# KiCad board Encoder_SPI_AS5047P_panel.kicad_pcb (continued)
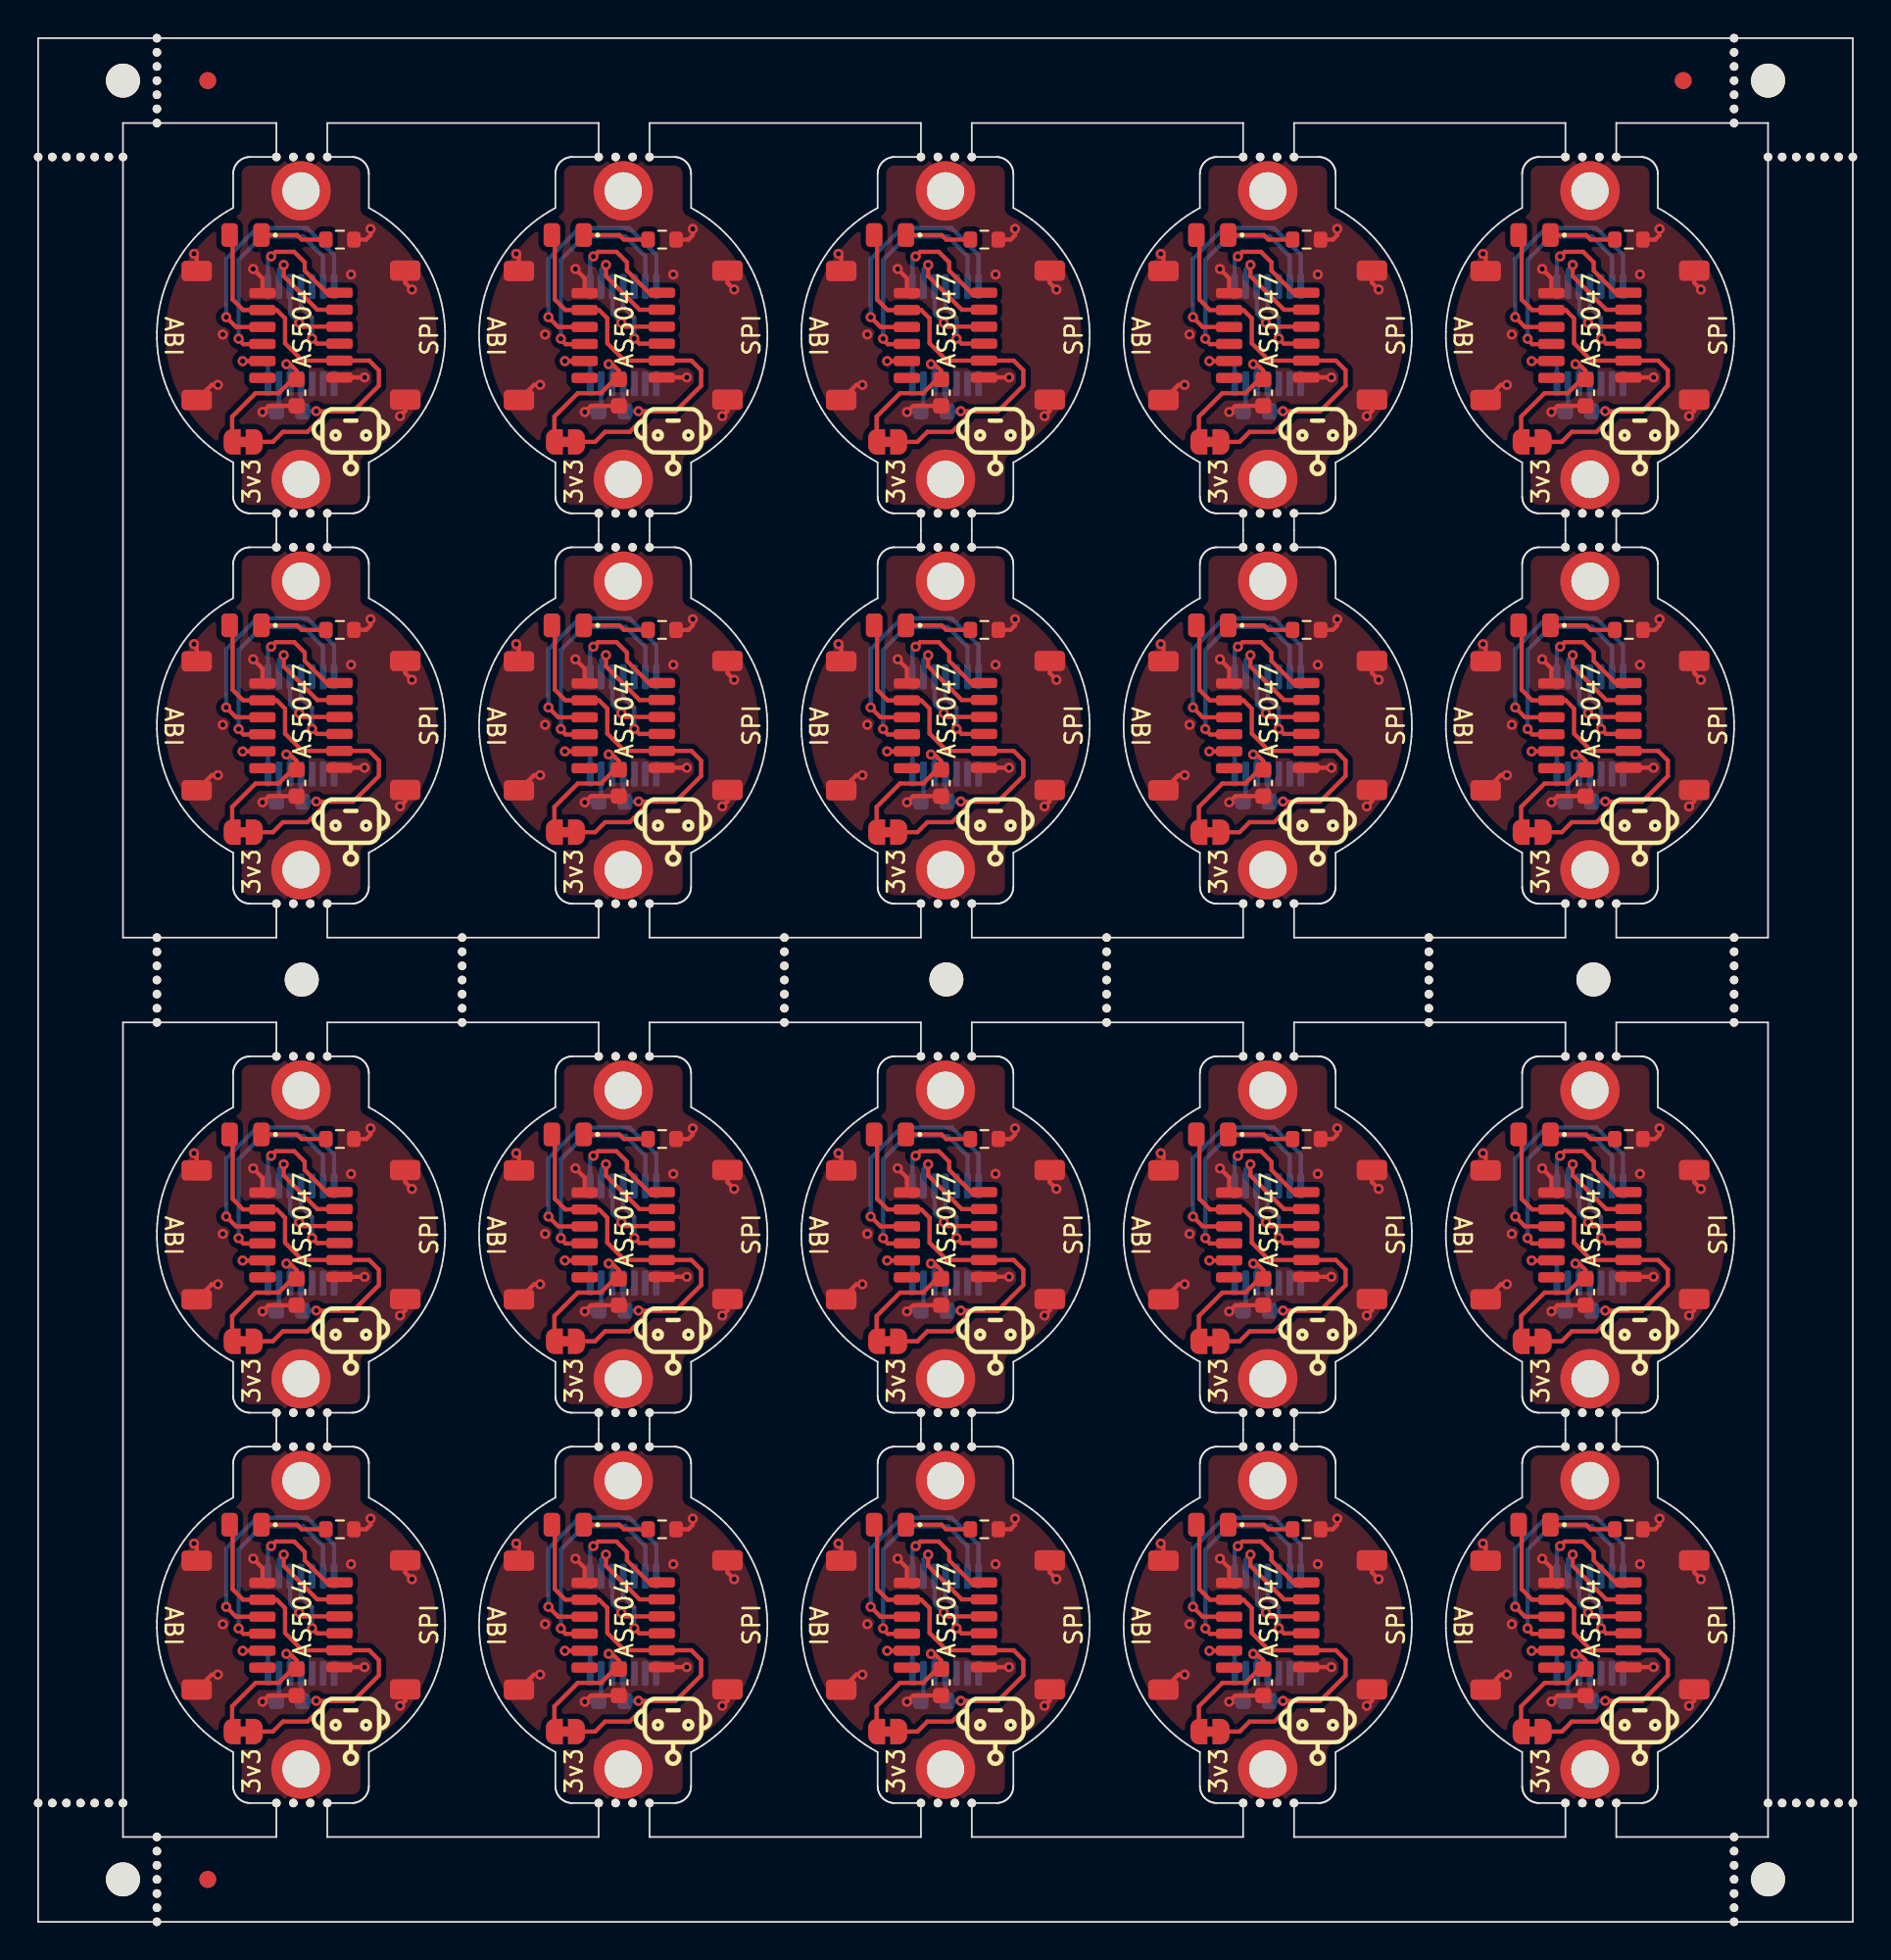
[diagram p0: board, top side]
## Routing (per net, layer and track width the routed paths; a pad name or vN(x,y) marks a point on that pad's centre or on a via; arc(x,y) is an arc through that point) (continued)
Board_12-/I: length 3.8
  Top w0.25: v1(50.06,38.97) 51.21,38.97 J2#6.5
  Bottom w0.25: v1(50.06,38.97) 51.26,38.97 51.55,38.68 U2#3.14
Board_12-/MISO: length 4.6
  Top w0.25: v1(53.39,41.23) 53.62,41 J1#11.4
  Bottom w0.25: v1(53.39,41.23) 52.86,41.75 52.86,43.12
Board_12-/MOSI: length 5.1
  Top w0.25: v1(54.15,40.3) 54.45,40 J1#11.3
  Bottom w0.25: v1(54.15,40.3) 54.15,41.52 53.5,42.17 U2#3.4
Board_12-/nCS: length 7.3
  Top w0.25: J1#11.6 55.02,43 53.72,44.3 53.72,44.79 53.1,45.41 52.01,45.41 v1(51.74,45.14)
  Bottom w0.25: v1(51.74,45.14) 51.55,44.95 U2#3.1
Board_12-/SCK: length 6.2
  Top w0.25: J1#11.5 54.46,42 52.48,43.98 v1(52.48,44.64)
  Bottom w0.25: v1(52.48,44.64) 52.2,44.36 U2#3.2
Board_12-GND: length 14.9
  Top w0.25: v1(47.19,45.29) 47.35,45.13 J2#6.MP ; v1(59.34,35.73) 59.64,36.03 J1#11.MP ; J1#11.MP 59.64,43.58 v1(60.04,43.19) ; C1#16.1 51.59,36.33 v1(51.23,35.97) ; v1(57.6,46.76) 57.6,46.39 57.34,46.13 56.61,46.13 ; J2#6.MP 48.24,37.57 v1(48.6,37.57) ; v1(57.25,38.01) 55.78,38.01 J1#11.1 ; J2#6.1 51.22,43.86 v1(50.68,44.4) ; H1#2.1 53.09,32.41
  Bottom w0.25: v1(51.23,35.97) 52.01,35.97 C2#12.1 52.2,36.16 U2#3.13
  vias: v1(48.89,40.54) v1(56.45,44.08) v1(57.34,34.6)
Board_12-Net-(D1-K): length 3.9
  Top w0.25: D1#14.1 53.27,46.4 53.54,46.13 R1#10.1
Board_12-VCC: length 27.8
  Top w0.25: v1(54.4,36.02) 54.41,36.01 56.58,36.01 58.09,37.52 58.09,38.43 57.52,39 J1#11.2 53.58,39 52.56,40.02 52.56,41.49 52.07,41.98 J2#6.2 50.09,41.98 49.47,42.6 49.47,46.22 D1#14.2 ; 54.81,36.01 54.81,35.73 53.88,34.8 52.43,34.8 51.84,34.21 JP1#6.2
  Bottom w0.25: v1(54.4,36.02) 54.39,36.01 C2#12.2 53.5,36.11 U2#3.11
Board_13-/A: length 15.4
  Top w0.25: v1(68.09,41.56) 68.67,40.98 J2#18.3
  Bottom w0.25: U2#4.7 74.45,45.22 72.86,46.81 69.91,46.81 68.09,44.99 v1(68.09,41.56)
Board_13-/B: length 14
  Top w0.25: J2#18.4 70.21,39.97 69.1,39.97 68.82,40.25 v1(68.82,40.29)
  Bottom w0.25: U2#4.6 73.8,45.14 72.63,46.31 70.19,46.31 68.82,44.94 v1(68.82,40.29)
Board_13-/I: length 3.8
  Top w0.25: v1(69.06,38.97) 70.21,38.97 J2#18.5
  Bottom w0.25: U2#4.14 70.55,38.68 70.26,38.97 v1(69.06,38.97)
Board_13-/MISO: length 4.6
  Top w0.25: v1(72.39,41.23) 72.62,41 J1#15.4
  Bottom w0.25: 71.86,43.12 71.86,41.75 v1(72.39,41.23)
Board_13-/MOSI: length 5.1
  Top w0.25: v1(73.15,40.3) 73.45,40 J1#15.3
  Bottom w0.25: v1(73.15,40.3) 73.15,41.52 72.5,42.17 U2#4.4
Board_13-/nCS: length 7.3
  Top w0.25: v1(70.74,45.14) 71.01,45.41 72.1,45.41 72.72,44.79 72.72,44.3 74.02,43 J1#15.6
  Bottom w0.25: U2#4.1 70.55,44.95 v1(70.74,45.14)
Board_13-/SCK: length 6.2
  Top w0.25: J1#15.5 73.46,42 71.48,43.98 v1(71.48,44.64)
  Bottom w0.25: U2#4.2 71.2,44.36 v1(71.48,44.64)
Board_13-GND: length 14.9
  Top w0.25: v1(66.19,45.29) 66.35,45.13 J2#18.MP ; v1(76.6,46.76) 76.6,46.39 76.34,46.13 R1#19.2 ; J2#18.1 70.22,43.86 v1(69.68,44.4) ; H1#8.1 72.09,32.41 ; v1(76.25,38.01) 74.78,38.01 J1#15.1 ; J1#15.MP 78.64,43.58 v1(79.04,43.19) ; J2#18.MP 67.24,37.57 v1(67.6,37.57) ; J1#15.MP 78.64,36.03 v1(78.34,35.73) ; v1(70.23,35.97) 70.59,36.33 C1#18.1
  Bottom w0.25: v1(70.23,35.97) 71.01,35.97 C2#17.1 71.2,36.16 U2#4.13
  vias: v1(67.89,40.54) v1(75.45,44.08) v1(76.34,34.6)
Board_13-Net-(D1-K): length 3.9
  Top w0.25: R1#19.1 72.54,46.13 72.27,46.4 D1#3.1
Board_13-VCC: length 27.8
  Top w0.25: 73.81,36.01 73.81,35.73 72.88,34.8 71.43,34.8 70.84,34.21 JP1#2.2 ; D1#3.2 68.47,46.22 68.47,42.6 69.09,41.98 J2#18.2 71.07,41.98 71.56,41.49 71.56,40.02 72.58,39 J1#15.2 76.52,39 77.09,38.43 77.09,37.52 75.58,36.01 73.41,36.01 v1(73.4,36.02)
  Bottom w0.25: v1(73.4,36.02) 73.39,36.01 C2#17.2 72.5,36.11 U2#4.11
Board_14-/A: length 15.4
  Top w0.25: v1(87.09,41.56) 87.67,40.98 J2#3.3
  Bottom w0.25: v1(87.09,41.56) 87.09,44.99 88.91,46.81 91.86,46.81 93.45,45.22 U2#5.7
Board_14-/B: length 14
  Top w0.25: J2#3.4 89.21,39.97 88.1,39.97 87.82,40.25 v1(87.82,40.29)
  Bottom w0.25: v1(87.82,40.29) 87.82,44.94 89.19,46.31 91.63,46.31 92.8,45.14 U2#5.6
Board_14-/I: length 3.8
  Top w0.25: J2#3.5 89.21,38.97 v1(88.06,38.97)
  Bottom w0.25: v1(88.06,38.97) 89.26,38.97 89.55,38.68 U2#5.14
Board_14-/MISO: length 4.6
  Top w0.25: v1(91.39,41.23) 91.62,41 J1#18.4
  Bottom w0.25: 90.86,43.12 90.86,41.75 v1(91.39,41.23)
Board_14-/MOSI: length 5.1
  Top w0.25: J1#18.3 92.45,40 v1(92.15,40.3)
  Bottom w0.25: v1(92.15,40.3) 92.15,41.52 91.5,42.17 U2#5.4
Board_14-/nCS: length 7.3
  Top w0.25: v1(89.74,45.14) 90.01,45.41 91.1,45.41 91.72,44.79 91.72,44.3 93.02,43 J1#18.6
  Bottom w0.25: v1(89.74,45.14) 89.55,44.95 U2#5.1
Board_14-/SCK: length 6.2
  Top w0.25: J1#18.5 92.46,42 90.48,43.98 v1(90.48,44.64)
  Bottom w0.25: v1(90.48,44.64) 90.2,44.36 U2#5.2
Board_14-GND: length 14.9
  Top w0.25: R1#2.2 95.34,46.13 95.6,46.39 v1(95.6,46.76) ; J2#3.MP 86.24,37.57 v1(86.6,37.57) ; C1#7.1 89.59,36.33 v1(89.23,35.97) ; J2#3.1 89.22,43.86 v1(88.68,44.4) ; v1(95.25,38.01) 93.78,38.01 J1#18.1 ; v1(98.04,43.19) 97.64,43.58 J1#18.MP ; v1(85.19,45.29) 85.35,45.13 J2#3.MP ; H1#16.1 91.09,32.41 ; v1(97.34,35.73) 97.64,36.03 J1#18.MP
  Bottom w0.25: U2#5.13 90.2,36.16 C2#8.1 90.01,35.97 v1(89.23,35.97)
  vias: v1(86.89,40.54) v1(94.45,44.08) v1(95.34,34.6)
Board_14-Net-(D1-K): length 3.9
  Top w0.25: D1#16.1 91.27,46.4 91.54,46.13 R1#2.1
Board_14-VCC: length 27.8
  Top w0.25: 92.81,36.01 92.81,35.73 91.88,34.8 90.43,34.8 89.84,34.21 JP1#4.2 ; v1(92.4,36.02) 92.41,36.01 94.58,36.01 96.09,37.52 96.09,38.43 95.52,39 J1#18.2 91.58,39 90.56,40.02 90.56,41.49 90.07,41.98 J2#3.2 88.09,41.98 87.47,42.6 87.47,46.22 D1#16.2
  Bottom w0.25: U2#5.11 91.5,36.11 C2#8.2 92.39,36.01 v1(92.4,36.02)
Board_15-/A: length 15.4
  Top w0.25: v1(11.09,18.56) 11.67,17.98 J2#13.3
  Bottom w0.25: v1(11.09,18.56) 11.09,21.99 12.91,23.81 15.86,23.81 17.45,22.22 U2#10.7
Board_15-/B: length 14
  Top w0.25: J2#13.4 13.21,16.97 12.1,16.97 11.82,17.25 v1(11.82,17.29)
  Bottom w0.25: v1(11.82,17.29) 11.82,21.94 13.19,23.31 15.63,23.31 16.8,22.14 U2#10.6
Board_15-/I: length 3.8
  Top w0.25: v1(12.06,15.97) 13.21,15.97 J2#13.5
  Bottom w0.25: U2#10.14 13.55,15.68 13.26,15.97 v1(12.06,15.97)
Board_15-/MISO: length 4.6
  Top w0.25: v1(15.39,18.23) 15.62,18 J1#17.4
  Bottom w0.25: v1(15.39,18.23) 14.86,18.75 14.86,20.12
Board_15-/MOSI: length 5.1
  Top w0.25: v1(16.15,17.3) 16.45,17 J1#17.3
  Bottom w0.25: U2#10.4 15.5,19.17 16.15,18.52 v1(16.15,17.3)
Board_15-/nCS: length 7.3
  Top w0.25: v1(13.74,22.14) 14.01,22.41 15.1,22.41 15.72,21.79 15.72,21.3 17.02,20 J1#17.6
  Bottom w0.25: v1(13.74,22.14) 13.55,21.95 U2#10.1
Board_15-/SCK: length 6.2
  Top w0.25: J1#17.5 16.46,19 14.48,20.98 v1(14.48,21.64)
  Bottom w0.25: v1(14.48,21.64) 14.2,21.36 U2#10.2
Board_15-GND: length 14.9
  Top w0.25: v1(21.34,12.73) 21.64,13.03 J1#17.MP ; J2#13.1 13.22,20.86 v1(12.68,21.4) ; v1(9.19,22.29) 9.35,22.13 J2#13.MP ; v1(22.04,20.19) 21.64,20.58 J1#17.MP ; J2#13.MP 10.24,14.57 v1(10.6,14.57) ; J1#17.1 17.78,15.01 v1(19.25,15.01) ; v1(19.6,23.76) 19.6,23.39 19.34,23.13 R1#12.2 ; v1(13.23,12.97) 13.59,13.33 C1#3.1 ; H1#20.1 15.09,9.41
  Bottom w0.25: U2#10.13 14.2,13.16 C2#2.1 14.01,12.97 v1(13.23,12.97)
  vias: v1(10.89,17.54) v1(18.45,21.08) v1(19.34,11.6)
Board_15-Net-(D1-K): length 3.9
  Top w0.25: R1#12.1 15.54,23.13 15.27,23.4 D1#17.1
Board_15-VCC: length 27.8
  Top w0.25: 16.81,13.01 16.81,12.73 15.88,11.8 14.43,11.8 13.84,11.21 JP1#16.2 ; D1#17.2 11.47,23.22 11.47,19.6 12.09,18.98 J2#13.2 14.07,18.98 14.56,18.49 14.56,17.02 15.58,16 J1#17.2 19.52,16 20.09,15.43 20.09,14.52 18.58,13.01 16.41,13.01 v1(16.4,13.02)
  Bottom w0.25: v1(16.4,13.02) 16.39,13.01 C2#2.2 15.5,13.11 U2#10.11
Board_16-/A: length 15.4
  Top w0.25: J2#9.3 30.67,17.98 v1(30.09,18.56)
  Bottom w0.25: U2#12.7 36.45,22.22 34.86,23.81 31.91,23.81 30.09,21.99 v1(30.09,18.56)
Board_16-/B: length 14
  Top w0.25: v1(30.82,17.29) 30.82,17.25 31.1,16.97 32.21,16.97 J2#9.4
  Bottom w0.25: U2#12.6 35.8,22.14 34.63,23.31 32.19,23.31 30.82,21.94 v1(30.82,17.29)
Board_16-/I: length 3.8
  Top w0.25: J2#9.5 32.21,15.97 v1(31.06,15.97)
  Bottom w0.25: U2#12.14 32.55,15.68 32.26,15.97 v1(31.06,15.97)
Board_16-/MISO: length 4.6
  Top w0.25: v1(34.39,18.23) 34.62,18 J1#13.4
  Bottom w0.25: 33.86,20.12 33.86,18.75 v1(34.39,18.23)
Board_16-/MOSI: length 5.1
  Top w0.25: v1(35.15,17.3) 35.45,17 J1#13.3
  Bottom w0.25: v1(35.15,17.3) 35.15,18.52 34.5,19.17 U2#12.4
Board_16-/nCS: length 7.3
  Top w0.25: v1(32.74,22.14) 33.01,22.41 34.1,22.41 34.72,21.79 34.72,21.3 36.02,20 J1#13.6
  Bottom w0.25: U2#12.1 32.55,21.95 v1(32.74,22.14)
Board_16-/SCK: length 6.2
  Top w0.25: J1#13.5 35.46,19 33.48,20.98 v1(33.48,21.64)
  Bottom w0.25: v1(33.48,21.64) 33.2,21.36 U2#12.2
Board_16-GND: length 14.9
  Top w0.25: J1#13.1 36.78,15.01 v1(38.25,15.01) ; v1(29.6,14.57) 29.24,14.57 J2#9.MP ; J1#13.MP 40.64,13.03 v1(40.34,12.73) ; v1(28.19,22.29) 28.35,22.13 J2#9.MP ; v1(38.6,23.76) 38.6,23.39 38.34,23.13 R1#20.2 ; J1#13.MP 40.64,20.58 v1(41.04,20.19) ; v1(32.23,12.97) 32.59,13.33 C1#13.1 ; H1#11.1 34.09,9.41 ; v1(31.68,21.4) 32.22,20.86 J2#9.1
  Bottom w0.25: v1(32.23,12.97) 33.01,12.97 C2#15.1 33.2,13.16 U2#12.13
  vias: v1(29.89,17.54) v1(37.45,21.08) v1(38.34,11.6)
Board_16-Net-(D1-K): length 3.9
  Top w0.25: R1#20.1 34.54,23.13 34.27,23.4 D1#7.1
Board_16-VCC: length 27.8
  Top w0.25: D1#7.2 30.47,23.22 30.47,19.6 31.09,18.98 J2#9.2 33.07,18.98 33.56,18.49 33.56,17.02 34.58,16 J1#13.2 38.52,16 39.09,15.43 39.09,14.52 37.58,13.01 35.41,13.01 v1(35.4,13.02) ; 35.81,13.01 35.81,12.73 34.88,11.8 33.43,11.8 32.84,11.21 JP1#15.2
  Bottom w0.25: U2#12.11 34.5,13.11 C2#15.2 35.39,13.01 v1(35.4,13.02)
Board_17-/A: length 15.4
  Top w0.25: v1(49.09,18.56) 49.67,17.98 J2#10.3
  Bottom w0.25: U2#8.7 55.45,22.22 53.86,23.81 50.91,23.81 49.09,21.99 v1(49.09,18.56)
Board_17-/B: length 14
  Top w0.25: v1(49.82,17.29) 49.82,17.25 50.1,16.97 51.21,16.97 J2#10.4
  Bottom w0.25: U2#8.6 54.8,22.14 53.63,23.31 51.19,23.31 49.82,21.94 v1(49.82,17.29)
Board_17-/I: length 3.8
  Top w0.25: v1(50.06,15.97) 51.21,15.97 J2#10.5
  Bottom w0.25: v1(50.06,15.97) 51.26,15.97 51.55,15.68 U2#8.14
Board_17-/MISO: length 4.6
  Top w0.25: J1#16.4 53.62,18 v1(53.39,18.23)
  Bottom w0.25: 52.86,20.12 52.86,18.75 v1(53.39,18.23)
Board_17-/MOSI: length 5.1
  Top w0.25: v1(54.15,17.3) 54.45,17 J1#16.3
  Bottom w0.25: U2#8.4 53.5,19.17 54.15,18.52 v1(54.15,17.3)
Board_17-/nCS: length 7.3
  Top w0.25: J1#16.6 55.02,20 53.72,21.3 53.72,21.79 53.1,22.41 52.01,22.41 v1(51.74,22.14)
  Bottom w0.25: v1(51.74,22.14) 51.55,21.95 U2#8.1
Board_17-/SCK: length 6.2
  Top w0.25: v1(52.48,21.64) 52.48,20.98 54.46,19 J1#16.5
  Bottom w0.25: v1(52.48,21.64) 52.2,21.36 U2#8.2
Board_17-GND: length 14.9
  Top w0.25: J1#16.1 55.78,15.01 v1(57.25,15.01) ; v1(59.34,12.73) 59.64,13.03 J1#16.MP ; v1(47.19,22.29) 47.35,22.13 J2#10.MP ; 56.61,23.13 57.34,23.13 57.6,23.39 v1(57.6,23.76) ; v1(48.6,14.57) 48.24,14.57 J2#10.MP ; J1#16.MP 59.64,20.58 v1(60.04,20.19) ; v1(51.23,12.97) 51.59,13.33 C1#2.1 ; H1#19.1 53.09,9.41 ; J2#10.1 51.22,20.86 v1(50.68,21.4)
  Bottom w0.25: v1(51.23,12.97) 52.01,12.97 C2#4.1 52.2,13.16 U2#8.13
  vias: v1(48.89,17.54) v1(56.45,21.08) v1(57.34,11.6)
Board_17-Net-(D1-K): length 3.9
  Top w0.25: D1#15.1 53.27,23.4 53.54,23.13 R1#6.1
Board_17-VCC: length 27.8
  Top w0.25: v1(54.4,13.02) 54.41,13.01 56.58,13.01 58.09,14.52 58.09,15.43 57.52,16 J1#16.2 53.58,16 52.56,17.02 52.56,18.49 52.07,18.98 J2#10.2 50.09,18.98 49.47,19.6 49.47,23.22 D1#15.2 ; JP1#9.2 51.84,11.21 52.43,11.8 53.88,11.8 54.81,12.73 54.81,13.01
  Bottom w0.25: U2#8.11 53.5,13.11 C2#4.2 54.39,13.01 v1(54.4,13.02)
Board_18-/A: length 15.4
  Top w0.25: v1(68.09,18.56) 68.67,17.98 J2#11.3
  Bottom w0.25: v1(68.09,18.56) 68.09,21.99 69.91,23.81 72.86,23.81 74.45,22.22 U2#20.7
Board_18-/B: length 14
  Top w0.25: J2#11.4 70.21,16.97 69.1,16.97 68.82,17.25 v1(68.82,17.29)
  Bottom w0.25: v1(68.82,17.29) 68.82,21.94 70.19,23.31 72.63,23.31 73.8,22.14 U2#20.6
Board_18-/I: length 3.8
  Top w0.25: J2#11.5 70.21,15.97 v1(69.06,15.97)
  Bottom w0.25: U2#20.14 70.55,15.68 70.26,15.97 v1(69.06,15.97)
Board_18-/MISO: length 4.6
  Top w0.25: v1(72.39,18.23) 72.62,18 J1#5.4
  Bottom w0.25: 71.86,20.12 71.86,18.75 v1(72.39,18.23)
Board_18-/MOSI: length 5.1
  Top w0.25: J1#5.3 73.45,17 v1(73.15,17.3)
  Bottom w0.25: U2#20.4 72.5,19.17 73.15,18.52 v1(73.15,17.3)
Board_18-/nCS: length 7.3
  Top w0.25: v1(70.74,22.14) 71.01,22.41 72.1,22.41 72.72,21.79 72.72,21.3 74.02,20 J1#5.6
  Bottom w0.25: U2#20.1 70.55,21.95 v1(70.74,22.14)
Board_18-/SCK: length 6.2
  Top w0.25: v1(71.48,21.64) 71.48,20.98 73.46,19 J1#5.5
  Bottom w0.25: U2#20.2 71.2,21.36 v1(71.48,21.64)
Board_18-GND: length 14.9
  Top w0.25: J2#11.MP 67.24,14.57 v1(67.6,14.57) ; v1(78.34,12.73) 78.64,13.03 J1#5.MP ; v1(76.6,23.76) 76.6,23.39 76.34,23.13 R1#8.2 ; v1(69.68,21.4) 70.22,20.86 J2#11.1 ; C1#4.1 70.59,13.33 v1(70.23,12.97) ; J1#5.1 74.78,15.01 v1(76.25,15.01) ; v1(66.19,22.29) 66.35,22.13 J2#11.MP ; H1.1 72.09,9.41 ; v1(79.04,20.19) 78.64,20.58 J1#5.MP
  Bottom w0.25: v1(70.23,12.97) 71.01,12.97 C2#19.1 71.2,13.16 U2#20.13
  vias: v1(67.89,17.54) v1(75.45,21.08) v1(76.34,11.6)
Board_18-Net-(D1-K): length 3.9
  Top w0.25: R1#8.1 72.54,23.13 72.27,23.4 D1.1
Board_18-VCC: length 27.8
  Top w0.25: 73.81,13.01 73.81,12.73 72.88,11.8 71.43,11.8 70.84,11.21 JP1#11.2 ; v1(73.4,13.02) 73.41,13.01 75.58,13.01 77.09,14.52 77.09,15.43 76.52,16 J1#5.2 72.58,16 71.56,17.02 71.56,18.49 71.07,18.98 J2#11.2 69.09,18.98 68.47,19.6 68.47,23.22 D1.2
  Bottom w0.25: v1(73.4,13.02) 73.39,13.01 C2#19.2 72.5,13.11 U2#20.11
Board_19-/A: length 15.4
  Top w0.25: v1(87.09,18.56) 87.67,17.98 J2#4.3
  Bottom w0.25: v1(87.09,18.56) 87.09,21.99 88.91,23.81 91.86,23.81 93.45,22.22 U2#14.7
Board_19-/B: length 14
  Top w0.25: J2#4.4 89.21,16.97 88.1,16.97 87.82,17.25 v1(87.82,17.29)
  Bottom w0.25: U2#14.6 92.8,22.14 91.63,23.31 89.19,23.31 87.82,21.94 v1(87.82,17.29)
Board_19-/I: length 3.8
  Top w0.25: v1(88.06,15.97) 89.21,15.97 J2#4.5
  Bottom w0.25: U2#14.14 89.55,15.68 89.26,15.97 v1(88.06,15.97)
Board_19-/MISO: length 4.6
  Top w0.25: v1(91.39,18.23) 91.62,18 J1#20.4
  Bottom w0.25: 90.86,20.12 90.86,18.75 v1(91.39,18.23)
Board_19-/MOSI: length 5.1
  Top w0.25: v1(92.15,17.3) 92.45,17 J1#20.3
  Bottom w0.25: v1(92.15,17.3) 92.15,18.52 91.5,19.17 U2#14.4
Board_19-/nCS: length 7.3
  Top w0.25: v1(89.74,22.14) 90.01,22.41 91.1,22.41 91.72,21.79 91.72,21.3 93.02,20 J1#20.6
  Bottom w0.25: v1(89.74,22.14) 89.55,21.95 U2#14.1
Board_19-/SCK: length 6.2
  Top w0.25: J1#20.5 92.46,19 90.48,20.98 v1(90.48,21.64)
  Bottom w0.25: v1(90.48,21.64) 90.2,21.36 U2#14.2
Board_19-GND: length 14.9
  Top w0.25: v1(85.19,22.29) 85.35,22.13 J2#4.MP ; v1(95.6,23.76) 95.6,23.39 95.34,23.13 R1.2 ; v1(88.68,21.4) 89.22,20.86 J2#4.1 ; v1(97.34,12.73) 97.64,13.03 J1#20.MP ; C1#17.1 89.59,13.33 v1(89.23,12.97) ; v1(86.6,14.57) 86.24,14.57 J2#4.MP ; v1(98.04,20.19) 97.64,20.58 J1#20.MP ; v1(95.25,15.01) 93.78,15.01 J1#20.1 ; H1#5.1 91.09,9.41
  Bottom w0.25: v1(89.23,12.97) 90.01,12.97 C2#6.1 90.2,13.16 U2#14.13
  vias: v1(86.89,17.54) v1(94.45,21.08) v1(95.34,11.6)
Board_19-Net-(D1-K): length 3.9
  Top w0.25: D1#10.1 91.27,23.4 91.54,23.13 R1.1
Board_19-VCC: length 27.8
  Top w0.25: D1#10.2 87.47,23.22 87.47,19.6 88.09,18.98 J2#4.2 90.07,18.98 90.56,18.49 90.56,17.02 91.58,16 J1#20.2 95.52,16 96.09,15.43 96.09,14.52 94.58,13.01 92.41,13.01 v1(92.4,13.02) ; 92.81,13.01 92.81,12.73 91.88,11.8 90.43,11.8 89.84,11.21 JP1#20.2
  Bottom w0.25: v1(92.4,13.02) 92.39,13.01 C2#6.2 91.5,13.11 U2#14.11

## Copper pours and planes (outline as drawn; the poured copper is in the pictures)
Board_0-GND on Top: 24.07,104.02 24.07,83.02 7.02,83.02 7.02,104.02
Board_0-GND on Bottom: 24.07,104.02 24.07,83.02 7.02,83.02 7.02,104.02
Board_1-GND on Top: 43.07,104.02 43.07,83.02 26.02,83.02 26.02,104.02
Board_1-GND on Bottom: 43.07,104.02 43.07,83.02 26.02,83.02 26.02,104.02
Board_2-GND on Top: 62.07,104.02 62.07,83.02 45.02,83.02 45.02,104.02
Board_2-GND on Bottom: 62.07,104.02 62.07,83.02 45.02,83.02 45.02,104.02
Board_3-GND on Top: 81.07,104.02 81.07,83.02 64.02,83.02 64.02,104.02
Board_3-GND on Bottom: 81.07,104.02 81.07,83.02 64.02,83.02 64.02,104.02
Board_4-GND on Top: 100.07,104.02 100.07,83.02 83.02,83.02 83.02,104.02
Board_4-GND on Bottom: 100.07,104.02 100.07,83.02 83.02,83.02 83.02,104.02
Board_5-GND on Top: 24.07,81.02 24.07,60.02 7.02,60.02 7.02,81.02
Board_5-GND on Bottom: 24.07,81.02 24.07,60.02 7.02,60.02 7.02,81.02
Board_6-GND on Top: 43.07,81.02 43.07,60.02 26.02,60.02 26.02,81.02
Board_6-GND on Bottom: 43.07,81.02 43.07,60.02 26.02,60.02 26.02,81.02
Board_7-GND on Top: 62.07,81.02 62.07,60.02 45.02,60.02 45.02,81.02
Board_7-GND on Bottom: 62.07,81.02 62.07,60.02 45.02,60.02 45.02,81.02
Board_8-GND on Top: 81.07,81.02 81.07,60.02 64.02,60.02 64.02,81.02
Board_8-GND on Bottom: 81.07,81.02 81.07,60.02 64.02,60.02 64.02,81.02
Board_9-GND on Top: 100.07,81.02 100.07,60.02 83.02,60.02 83.02,81.02
Board_9-GND on Bottom: 100.07,81.02 100.07,60.02 83.02,60.02 83.02,81.02
Board_10-GND on Top: 24.07,51.02 24.07,30.02 7.02,30.02 7.02,51.02
Board_10-GND on Bottom: 24.07,51.02 24.07,30.02 7.02,30.02 7.02,51.02
Board_11-GND on Top: 43.07,51.02 43.07,30.02 26.02,30.02 26.02,51.02
Board_11-GND on Bottom: 43.07,51.02 43.07,30.02 26.02,30.02 26.02,51.02
Board_12-GND on Top: 62.07,51.02 62.07,30.02 45.02,30.02 45.02,51.02
Board_12-GND on Bottom: 62.07,51.02 62.07,30.02 45.02,30.02 45.02,51.02
Board_13-GND on Top: 81.07,51.02 81.07,30.02 64.02,30.02 64.02,51.02
Board_13-GND on Bottom: 81.07,51.02 81.07,30.02 64.02,30.02 64.02,51.02
Board_14-GND on Top: 100.07,51.02 100.07,30.02 83.02,30.02 83.02,51.02
Board_14-GND on Bottom: 100.07,51.02 100.07,30.02 83.02,30.02 83.02,51.02
Board_15-GND on Top: 24.07,28.02 24.07,7.02 7.02,7.02 7.02,28.02
Board_15-GND on Bottom: 24.07,28.02 24.07,7.02 7.02,7.02 7.02,28.02
Board_16-GND on Top: 43.07,28.02 43.07,7.02 26.02,7.02 26.02,28.02
Board_16-GND on Bottom: 43.07,28.02 43.07,7.02 26.02,7.02 26.02,28.02
Board_17-GND on Top: 62.07,28.02 62.07,7.02 45.02,7.02 45.02,28.02
Board_17-GND on Bottom: 62.07,28.02 62.07,7.02 45.02,7.02 45.02,28.02
Board_18-GND on Top: 81.07,28.02 81.07,7.02 64.02,7.02 64.02,28.02
Board_18-GND on Bottom: 81.07,28.02 81.07,7.02 64.02,7.02 64.02,28.02
Board_19-GND on Top: 100.07,28.02 100.07,7.02 83.02,7.02 83.02,28.02
Board_19-GND on Bottom: 100.07,28.02 100.07,7.02 83.02,7.02 83.02,28.02

## Text on the board
B.Silkscreen: gnd | +5v | a | b | i | pwm | cs | clk | miso | mosi | ABI | ©2023 | 14 bit | runger | v1.0 | AS5047P | SPI
F.Silkscreen: ABI | 3v3 | AS5047 | SPI
